# Altium PCB Archimbu.PcbDoc (part 5 of 5)
Units mil, origin at the board's own origin, x right, y up, seen from the top; angles counter-clockwise.
Board outline 4100 x 4050 mil, 4 copper layers (Top Layer, Ground Plane, Power Plane, Bottom Layer), stack 59.2 mil thick; 524 components, 271 nets, 1488 pads, 1236 vias.
Unrouted connection lines stored in the file: 118.
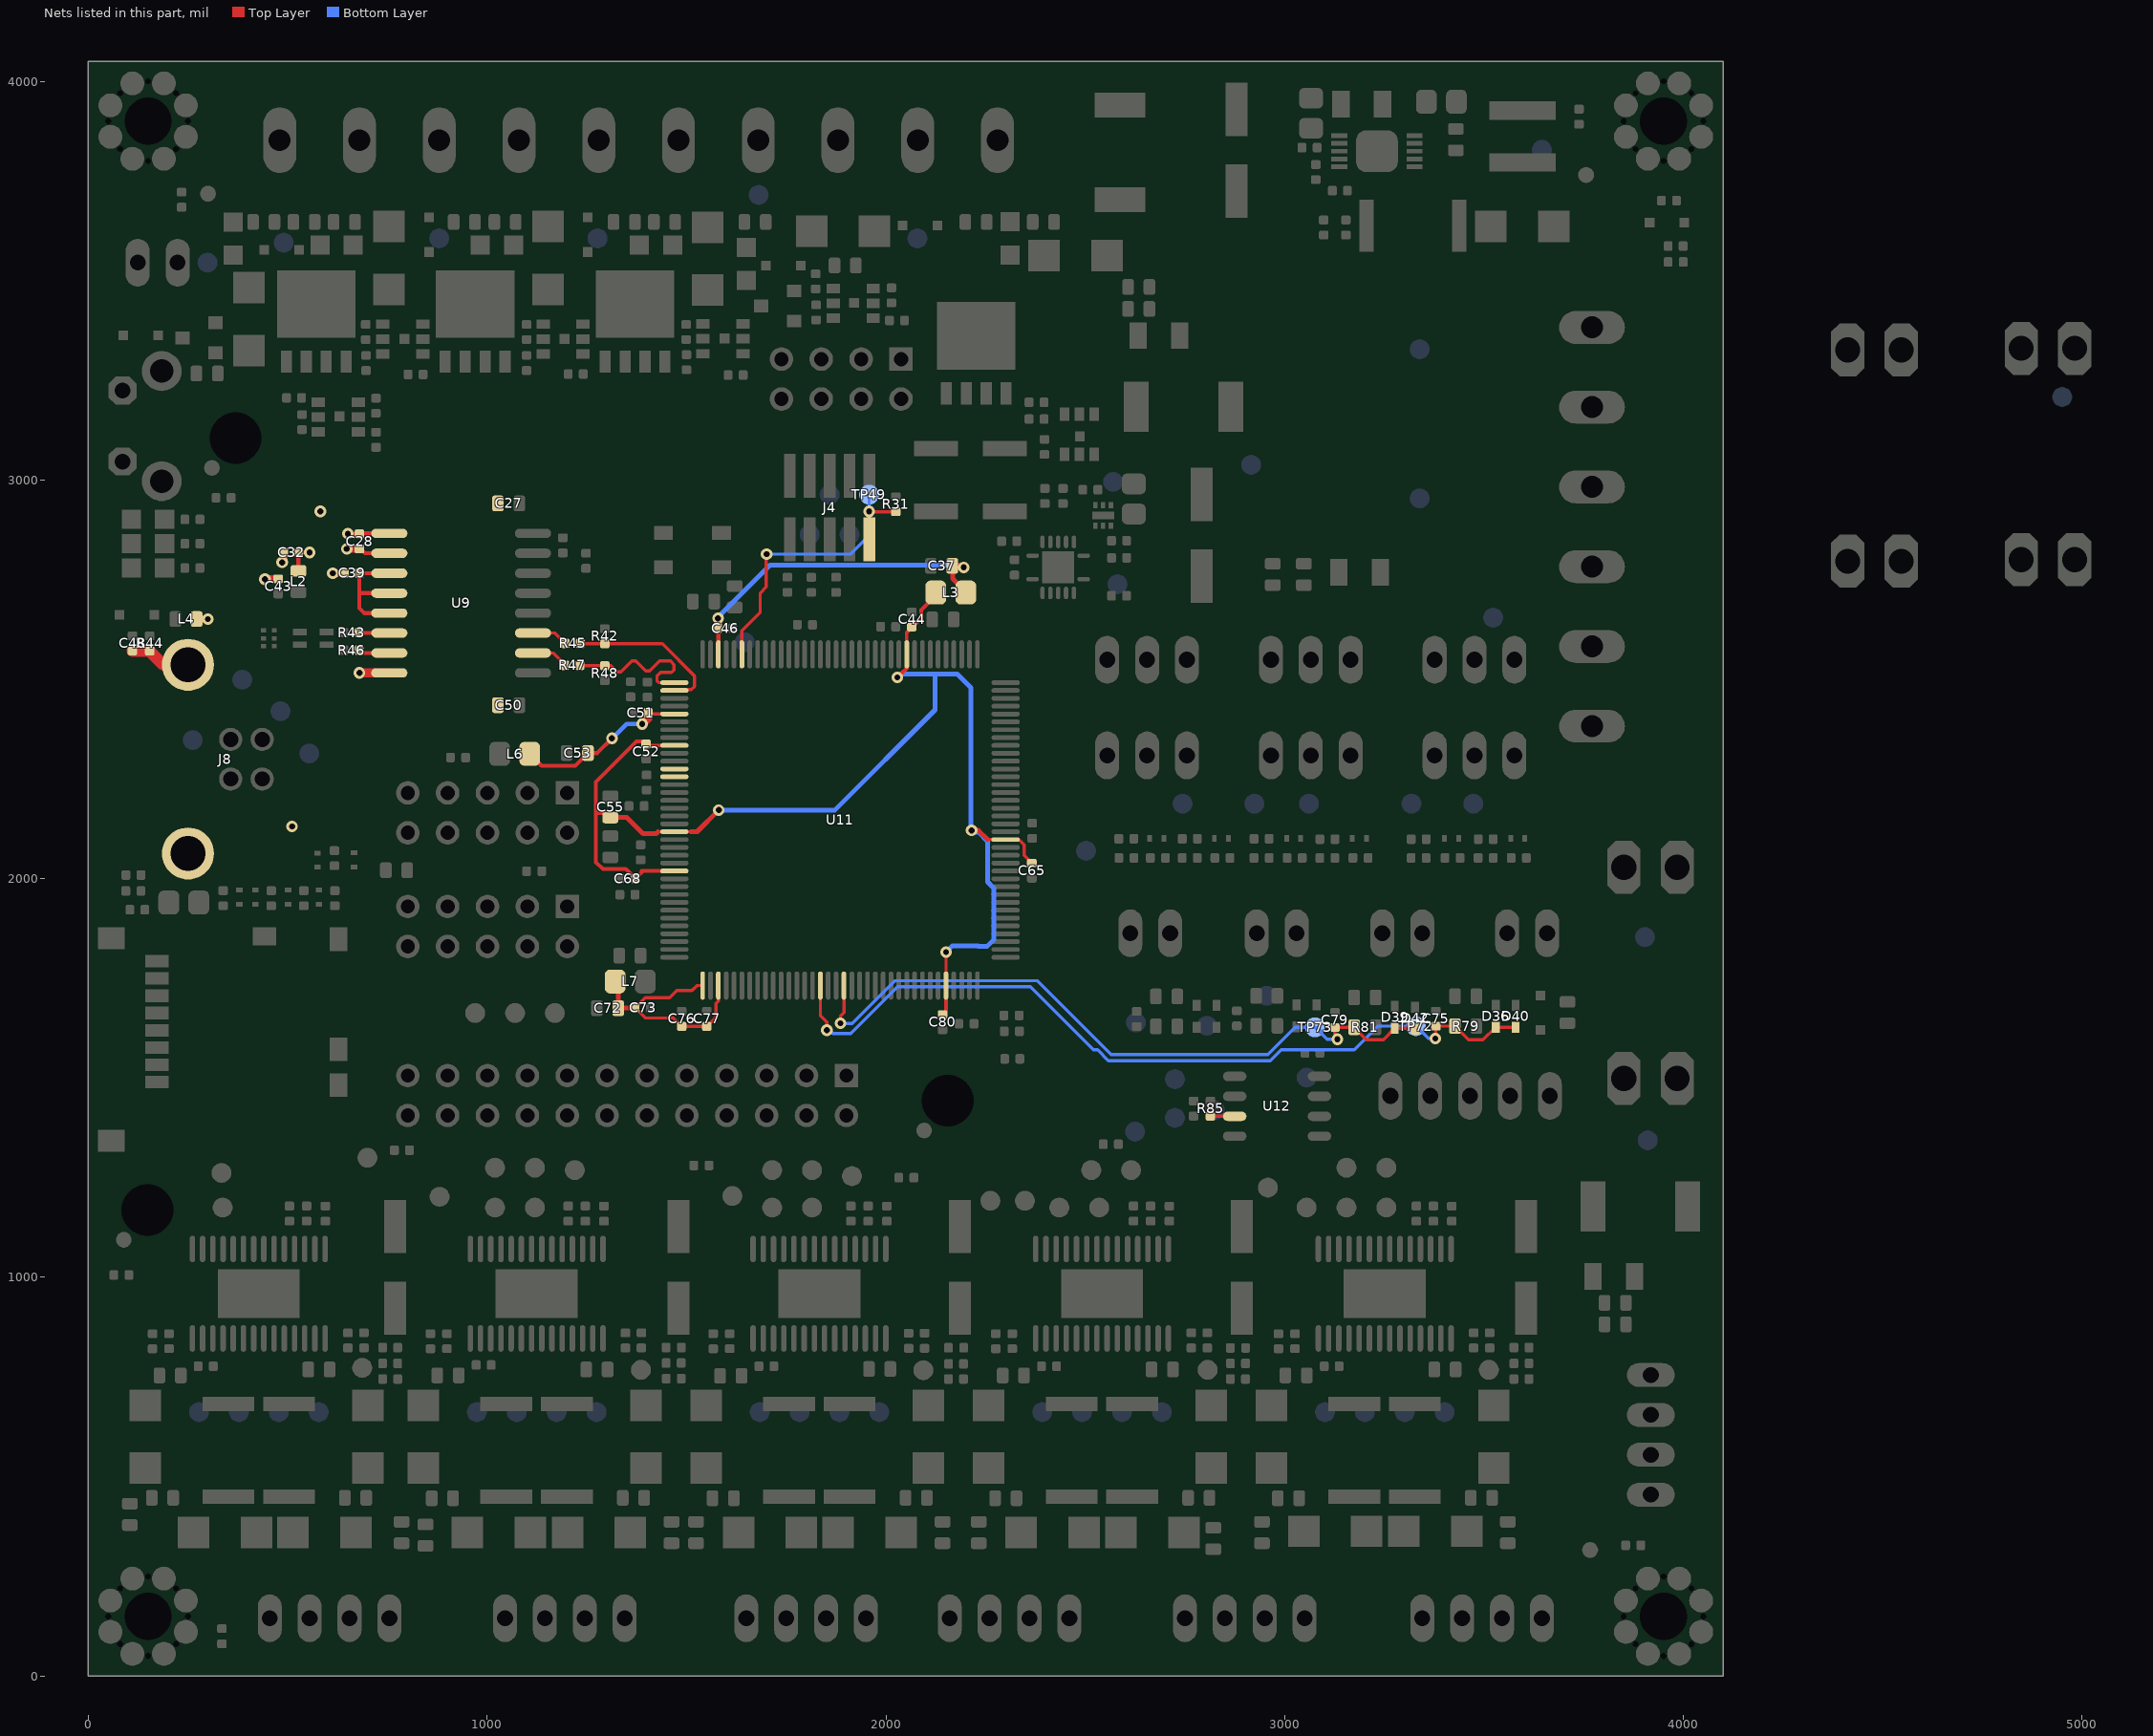
[diagram p7: the nets of this part, all layers, seen from the top]

## Via types
v1: diameter 29, hole 15, Top Layer to Bottom Layer, tented both sides, 1115 vias
v2: diameter 30, hole 15, Top Layer to Bottom Layer, tented both sides, 95 vias
v3: diameter 30, hole 15, Top Layer to Bottom Layer, 9 vias
v4: diameter 40, hole 24, Top Layer to Bottom Layer, tented both sides, 7 vias
v5: diameter 25, hole 10, Top Layer to Bottom Layer, tented both sides, 4 vias
v6: diameter 50, hole 30, Top Layer to Bottom Layer, 2 vias
v7: diameter 40, hole 20, Top Layer to Bottom Layer, tented both sides, 2 vias
v8: diameter 38, hole 22, Top Layer to Bottom Layer, tented both sides, 1 vias
v9: diameter 34, hole 20, Top Layer to Bottom Layer, tented both sides, 1 vias

## Nets (pads, with @x,y where several pads share a name; then routed paths per layer and width w, separated by ;. In a path a pad name is that pad's centre, name@x,y a point inside that pad or via, vN(x,y) a via of type N, cw(c..) or ccw(c..) an arc to the next point about the centre after c; other vN are vias at no path point) (continued)
THERM_AN3: C79.1 D39.A D42.C R81.2 TP73.1 U11.91 | length 1760.7
  Top Layer w8: v1(1886,1637) 1886,1654.94 1894.84,1663.78 U11.91@1894.84,1731.75 ; 3126,1611 C79.1@3126,1626.73 3173.96,1626.73 R81.2@3174.23,1627 3204.91,1596.31 3247.87,1596.31 D39.A@3276,1624.44 D42.C@3326,1624.44
  Bottom Layer w8: v1(1886,1637) 1915.79,1637 2022.79,1744 2379,1744 2564.5,1558.5 2958.11,1558.5 3026.61,1627 TP73.1@3076,1627 3106,1597 v1(3132,1597) ; TP73.1@3082,1627 TP73.1@3092,1617
THERM_AN4: C75.1 D36.A D40.C R79.2 TP72.1 U11.88 | length 2094.6
  Top Layer w8: U11.88@1835.79,1731.75 1835.79,1657 1852,1640.79 v1(1852,1620) ; v1(3378,1599) 3367,1599 3379,1611 C75.1@3379,1629.73 3379.26,1630 R79.2@3427.23,1630 3461.22,1596 3497.56,1596 D36.A@3529,1627.44 D40.C@3579,1627.44
  Bottom Layer w8: v1(1852,1620) 1868.5,1611.5 1911.5,1611.5 2029,1729 2362.57,1729 2520.71,1570.87 2530.92,1570.87 2558.29,1543.5 2964.32,1543.5 2991.69,1570.87 3174.21,1570.87 3233.35,1630 TP72.1@3329,1630 3360,1599 v1(3378,1599)
TMS/SWDIO: J4.2 R31.1 TP49.1 U11.31 | length 794.2
  Top Layer w8: U11.31@1638.5,2562.89 U11.31@1638.94,2562.46 1638.94,2621.94 1685,2668 1685,2716.28 1700,2731.28 1700,2813 v1(1701,2814) ; v1(1958,2921) 1958.9,2920.1 R31.1@2025,2920.1
  Top Layer w12: v1(1958,2921) 1958.17,2909.2 J4.2@1959,2851.08
  Bottom Layer w8: v1(1701,2814) 1911.91,2814 1958,2860.09 v1(1958,2921) TP49.1@1958,2963
UD_N: R43.1 U9.6 | length 74.9
  Top Layer w10: R43.1@680,2616 U9.6@754.88,2616
UD_P: R46.1 U9.7 | length 76.9
  Top Layer w10: R46.1@678,2566 U9.7@754.88,2566
UI_N: R45.2 U9.11 | length 91.9
  Top Layer w8: U9.11@1115.12,2616 1170.22,2616 R45.2@1196.23,2590
UI_P: R47.2 U9.10 | length 93.9
  Top Layer w8: U9.10@1115.12,2566 1165.22,2566 R47.2@1196.23,2535
UMCU_N: R42.2 R45.1 U11.38 | length 400.8
  Top Layer w8: R45.1@1233.9,2590 1234.9,2589 R42.2@1295,2589 1439.32,2589 1520,2508.32 1520,2481.91 1512.1,2474.01 1471.75,2474.01 U11.38@1469.65,2471.91
UMCU_P: R47.1 R48.2 U11.37 | length 398.1
  Top Layer w8: R47.1@1232.9,2535 1233.9,2534 R48.2@1295,2534 1310.36,2534 1325.86,2518.5 1335.5,2518.5 1362.9,2545.9 1373.1,2545.9 1398,2521 1408,2521 1432.9,2545.9 1459.79,2545.9 1468.69,2537 1468.69,2523.69 1462,2517 1435,2517 1426,2508 1426,2496.32 1430.73,2491.59 U11.37@1469.65,2491.59
USB_GND: C27.1 C28.2 C32.2 C39.2 C43.1 C50.1 L4.1 U9.2 U9.8 | length 305.8
  Top Layer w10: C28.2@680,2827 682.76,2827 693.76,2816 U9.2@754.88,2816
  Top Layer w20: L4.1@271.77,2651 v1(300,2651) ; v1(443,2751) 443.7,2751.7 C43.1@476,2751.7 ; v1(486,2793) 490,2793 C32.2@490,2818 ; v1(613,2766) C39.2@642,2766 ; v1(648,2827) C28.2@680,2827
  Top Layer w22: v1(680,2516) U9.8@754.88,2516
  other v1: 511,2131 582,2921
USBSHIELD: C48.1 J8.5 J8.6 R44.2 | length 153.5
  Top Layer w30: C48.1@111,2571.3 111.3,2571 R44.2@154,2571 188.78,2536.22 J8.5@250,2536.22
VDD1: C39.1 U9.3 U9.4 U9.5 | length 318.8
  Top Layer w10: U9.5@754.88,2666 692,2666 679.7,2678.3 679.7,2717 ; U9.4@754.88,2716 680.7,2716 679.7,2717 ; U9.3@754.88,2766 C39.1@679.7,2766 679.7,2717
VDDANA: C72.2 C73.1 C76.1 C77.1 L7.2 U11.73 U11.75 | length 623
  Top Layer w8: U11.73@1540.51,1731.75 1525.75,1731.75 1513.5,1719.5 1475.5,1719.5 1473.5,1717.5 1473.5,1717.44 1457.56,1701.5 1427.44,1701.5 1426.94,1701 1396.3,1701 C73.1@1371.3,1676 1396.8,1650.5 1458.56,1650.5 1459.06,1651 1466.3,1651 C76.1@1488,1629.3 C77.1@1551,1629.3 1574,1652.3 1574,1686.79 1579.88,1692.67 U11.75@1579.88,1731.75
  Top Layer w12: L7.2@1316,1742 1329.23,1728.77 C72.2@1329.23,1674.46 ; C72.2@1328.77,1674 C72.2@1329.23,1674.46 ; C72.2@1329.23,1674 C72.2@1329.23,1674.46 ; C73.1@1371.3,1676 1330.77,1676 C72.2@1329.23,1674.46
VDDOUT: C44.1 C52.1 C55.2 C65.1 C68.1 C80.1 L3.1 U11.10 U11.45 U11.56 U11.61 U11.104 U11.124 | length 3358
  Top Layer w8: C52.1@1392.7,2344 1402.59,2334.11 U11.45@1469.65,2334.11 ; 1429,2117.57 U11.56@1469.65,2117.57 1511.43,2117.57 ; U11.10@2052.32,2562.46 2052.32,2617.02 ; U11.104@2150.75,1720 U11.104@2150.75,1731.75 2150.75,1815.75 v1(2151,1816) ; 2254.33,2098.67 2255.11,2097.89 U11.124@2300.35,2097.89 2334.1,2097.89 2346.79,2085.21 2346.79,2057.91 C65.1@2360,2044.7
  Top Layer w10: C55.2@1318.54,2153.23 1306.77,2165 1273,2165 ; 1388,2019.15 U11.61@1469.65,2019.15 ; 1390.85,2019.15 C68.1@1371.7,2000 1347.7,2024 1290.42,2024 1273,2041.42 1273,2165 ; C52.1@1392.7,2344 1374.52,2344 1273,2242.48 1273,2165 ; v1(2029,2505) 2039.02,2515.02 2040.05,2515.02 2052.32,2527.29 U11.10@2052.32,2562.46 ; 2052.32,2617.02 C44.1@2065.3,2630 ; C44.1@2065,2629.3 2089,2653.3 2089,2673.65 2125.6,2710.24 L3.1@2125.6,2719 ; C80.1@2150.75,1667.45 U11.104@2150.75,1720
  Top Layer w12: C55.2@1318.54,2153.23 1350.66,2153.23 1391.39,2112.5 1423.64,2112.5 1426.64,2115.5 1426.93,2115.5 1429,2117.57 ; 1511.43,2117.57 1526.62,2117.57 v1(1581,2172) ; v1(2215,2121) 2232,2121 2254.33,2098.67
  Bottom Layer w12: v1(1581,2172) 1872.1,2172 2123.5,2423.4 2123.5,2512.5 2122.5,2513.5 ; v1(2029,2505) 2037.5,2513.5 2178.39,2513.5 2213.5,2478.39 2213.5,2117 2231.89,2117 2255.03,2093.86 2255.03,1991.97 2270.5,1976.5 2270.5,1846.61 2254.39,1830.5 2231.61,1830.5 2231.11,1831 2166,1831 v1(2151,1816)
VDDPLL: C37.2 C46.1 L3.2 U11.34 | length 877.5
  Top Layer w10: U11.34@1579.88,2562.46 C46.1@1579.88,2628.42
  Top Layer w12: C46.1@1576,2632.3 C46.1@1579.88,2628.42 ; C37.2@2167.77,2782.85 2167.77,2752.23 L3.2@2201,2719 ; v1(2194.99,2780.65) 2194.99,2780.99 v1@2196.85,2782.85
  Top Layer w20: C46.1@1577,2633.3 1579,2635.3 v1(1579,2653) ; C37.2@2167.77,2782.85 v1@2196.85,2782.85
  Bottom Layer w12: v1@1576.55,2653.45 1709.53,2786.42 2166.47,2786.42 2172.24,2780.65 v1(2194.99,2780.65)
VDDUTMI: C51.1 C53.2 L6.2 U11.41 | length 440.2
  Top Layer w8: v1(1389,2388) v1@1391.06,2388 ; C51.1@1403.7,2416 1406.85,2412.85 U11.41@1469.65,2412.85
  Top Layer w10: L6.2@1107,2313 1136.69,2283.31 1221.09,2283.31 C53.2@1252.77,2315 1276,2315 v1(1313,2352)
  Top Layer w20: v1@1391.06,2388 1403.7,2400.64 C51.1@1403.7,2416
  Bottom Layer w10: v1(1313,2352) 1314,2352 1350,2388 v1(1389,2388)
VUSB: C28.1 C32.1 L2.1 U9.1 | length 175.8
  Top Layer w10: L2.1@527,2771.77 527,2817.3 C32.1@527.7,2818 v1(555,2818) ; v1(651,2865) 651.3,2864.7 C28.1@680,2864.7 ; C28.1@682,2866 U9.1@754.88,2866
WP#: R85.1 U12.3 | length 60.7
  Top Layer w8: R85.1@2814,1404.1 2814.1,1404 U12.3@2874.7,1404
XIN32: U11.48
XOUT32: U11.49
pads on no net: FD1.1 FD2.1 FD3.1 H1.0 H2.0 H3. H4. H5. H6.0 H7.0 J4.7 U2.5 U3.5 U4.5 U5.5 U6.5 U7.5 U8.5 U13.18 U13.23 U13.27 U14.18 U14.23 U14.27 U15.18 U15.23 U15.27 U16.18 U16.23 U16.27 U17.18 U17.23 U17.27

## Polygon pours and split planes (outlines as drawn)
HTBD on Top Layer "DirectConnect" (solid, shelved, pour order 240): 2230.93,3667.07 2172,3726 2172,3940 2131,3981 2030,3981 1993,3944 1993,3729.37 2061.37,3661 2061.37,3647.63 2071,3638 2219,3638 2231,3650
+12VCC2 on Top Layer "DirectConnect" (solid, shelved, pour order 244): 1354,3639 1354,3661 1386,3693 1386,3944 1421,3979 1527,3979 1565,3941 1565,3766 1589,3742 1589,3617 1575,3603 1526,3603 1497,3632 1360,3632 1355,3637
HTRA on Top Layer "DirectConnect" (solid, shelved, pour order 241): 1348.95,3640 1348.95,3670.95 1370,3692 1370,3944 1336,3978 1334,3980 1230,3980 1193,3943 1193,3765 1271,3687 1271,3640
GND on Top Layer "FlashGND" (solid, remove dead copper, shelved, pour order 135): 2864.17,1323.82 2864.17,1539.37 3055.12,1539.37 3055.12,1323.82
FGND on Top Layer "SDfgnd" (solid, remove dead copper, shelved, pour order 133): 32.12,1869.31 32.12,1326 642.36,1326 642.36,1869.31 32.12,1869.31
GND on Top Layer "DirectConnect" (solid, shelved, pour order 136): 3932.09,3524.61 3941.93,3534.45 3941.93,3656.5 3941.93,3693.9 3922.24,3713.58 3882.87,3713.58 3869.09,3699.8 3862.2,3692.91 3862.2,3524.61
GND on Top Layer "DirectConnect" (solid, shelved, pour order 255): 456,3324 616,3324 616,3238 455,3238 455,3326
GND on Top Layer "DirectConnect" (solid, shelved, pour order 254): 853,3326 853,3239 1017,3239 1017,3326 853,3326
GND on Top Layer "DirectConnect" (solid, shelved, pour order 253): 1253,3326 1418,3326 1418,3238 1252,3238 1252,3326
GND on Top Layer "DirectConnect" (solid, shelved, pour order 249): 2103,3248 2103,3157 2279,3157 2279,3248 2103,3248
GND on Top Layer "PWR IN" (solid, shelved, pour order 225): 4014,2694 3821,2694 3778,2737 3778,2819 3830,2871 4014,2871
GND on Top Layer "PWR IN" (solid, shelved, pour order 226): 4014,3094 3821,3094 3778,3137 3778,3219 3830,3271 4014,3271
NetF2_1 on Top Layer "PWR IN" (solid, shelved, pour order 222): 4014,3074 3809,3074 3730,3153 3450,3153 3450,2816 3722,2816 3796,2890 4014,2890
NetF1_1 on Top Layer "PWR IN" (solid, shelved, pour order 220): 4014,3291 3830,3291 3730,3191 3446,3191 3446,3510 4014,3510
HTBD on Top Layer "DirectConnect" (solid, shelved, pour order 218): 2020,3278 2062,3278 2062,3262 2363,3262 2363,3215 2565,3215 2565,3600 2371,3600 2240,3600 2240,3661 2020,3661 2020,3303
HTRA on Top Layer "DirectConnect" (solid, shelved, pour order 217): 1222,3337 1481,3337 1481,3278 1607,3278 1607,3580 1435,3580 1435,3621 1435,3663 1222,3663
HTR1 on Top Layer "DirectConnect" (solid, shelved, pour order 216): 820,3337 1208,3337 1208,3586 1030,3586 1030,3622 1030,3665 820,3665 820,3336
HTR0 on Top Layer "DirectConnect" (solid, shelved, pour order 215): 454,3337 809,3337 809,3582 627,3582 627,3665 494,3665 406,3665 406,3538 454,3538
GND on Top Layer "Crystal" (solid, shelved, pour order 214): 1625,2631 1667,2673 1667,2718 1667,2878 1621,2924 1425,2924 1390,2889 1390,2738 1430,2698 1497,2631 1625,2631
GND on Top Layer "MCU GND" (solid, shelved, pour order 213): 1496,2493 1541,2538 2049,2538 2222,2365 2222,1770 2204,1752 1537,1752 1496,1793
USB_GND on Top Layer "USB Shield" (solid, shelved, pour order 211): 498,2081 824,2407 1035,2407 1048,2420 1048,2426 1048,2953 1036,2965 587,2965 552,2930 322,2700 83,2700 83,2598 103,2578 464,2578 498,2544
USBSHIELD on Top Layer "USB Shield" (solid, shelved, pour order 210): 21.99,2047 468,2047 482,2061 482,2536 464,2554 21,2554
GND on Top Layer "Top Layer-MTR GND" (solid, remove dead copper, shelved, pour order 170): 64.57,1300 64.57,547 766,547 766,1300
GND on Top Layer "Top Layer-MTR GND" (solid, remove dead copper, shelved, pour order 168): 819,1300 819,541 1481,541 1481,1300
GND on Top Layer "Top Layer-MTR GND" (solid, remove dead copper, shelved, pour order 166): 1526,1300 1526,545 2195,545 2195,1258.5 2017.5,1258.5 1976,1300
GND on Top Layer "Top Layer-MTR GND" (solid, remove dead copper, shelved, pour order 164): 2224,1145 2224,543 2902,543 2902,1300 2394,1300 2239,1145
GND on Top Layer "Top Layer-MTR GND" (solid, remove dead copper, shelved, pour order 162): 2942,1277.56 2942,543 3664.37,543 3664.37,1277.56
GND on Top Layer "Motor-Thermal" (solid, shelved, pour order 209): 997,1030 997,886 1258,886 1258,1030 1159,1030
GND on Top Layer "Motor-Thermal" (solid, shelved, pour order 208): 298.14,1030 298.14,886 559.14,886 559.14,1030 460.14,1030
GND on Top Layer "Motor-Thermal" (solid, shelved, pour order 194): 3109.58,321 3109.58,629 3259.58,629 3391.58,629 3391.58,321
GND on Top Layer "Motor-Thermal" (solid, shelved, pour order 193): 2400.72,321 2400.72,629 2550.72,629 2682.72,629 2682.72,321
GND on Top Layer "Motor-Thermal" (solid, shelved, pour order 192): 285.14,321 285.14,629 435.14,629 567.14,629 567.14,321
GND on Top Layer "Motor-Thermal" (solid, shelved, pour order 204): 208,637 155,584 101.74,584 86.74,599 86.74,736 120.74,770 192.64,770 208,754.64
GND on Top Layer "Motor-Thermal" (solid, shelved, pour order 203): 636.5,659.26 636.5,638.9 691.14,584.26 738.5,584.26 753.5,599.26 753.5,736.26 746.5,743.26 704.5,743.26 646.5,743.26 636.5,733.26
NetR121_2 on Top Layer "Motor-Thermal" (solid, shelved, pour order 147): 415.74,641 415.74,722 389.74,748 389.74,808.53 389.06,809.21 373.82,793.98 373.82,749.08 354.74,730 318.74,730 287.74,699 287.74,641
NetR122_2 on Top Layer "Motor-Thermal" (solid, shelved, pour order 148): 439.14,641 439.14,722 465.14,748 465.14,808.53 465.83,809.21 481.07,793.98 481.07,749.08 500.14,730 536.14,730 567.14,699 567.14,641
+12VCC1 on Top Layer "Top Layer-MTR +" (solid, shelved, pour order 189): 566.14,783 566.14,774 601.14,739 619.14,739 619.14,729 623.14,725 616.14,710 566.14,710 537.14,739 537.14,783
+12VCC1 on Top Layer "Top Layer-MTR +" (solid, shelved, pour order 184): 344.14,817 344.14,805 332.14,793 331.14,792 331.14,793 324.64,750.5 307.14,733 263.14,712 239.14,712 224.14,727 218.14,733 218.14,775 223.14,780 295.14,780 332.14,817
GND on Top Layer "Motor-Thermal" (solid, shelved, pour order 207): 3113.58,1030 3113.58,886 3374.58,886 3374.58,1030 3275.58,1030
GND on Top Layer "Motor-Thermal" (solid, shelved, pour order 202): 3041.1,652.51 3041.1,641.51 2977.1,577.51 2939.1,577.51 2926,590.61 2926,731.41 2931.1,736.51 2973.1,736.51 3031.1,736.51 3041.1,726.51
GND on Top Layer "Motor-Thermal" (solid, shelved, pour order 201): 3456.5,659.26 3456.5,642.5 3514.74,584.26 3558.5,584.26 3577,602.76 3577,732.76 3566.5,743.26 3524.5,743.26 3466.5,743.26 3456.5,733.26
NetR129_2 on Top Layer "Motor-Thermal" (solid, shelved, pour order 149): 3239.18,641 3239.18,722 3213.18,748 3213.18,808.53 3212.49,809.21 3197.26,793.98 3197.26,749.08 3178.18,730 3142.18,730 3111.18,699 3111.18,641
NetR130_2 on Top Layer "Motor-Thermal" (solid, shelved, pour order 150): 3262.58,641 3262.58,722 3288.58,748 3288.58,808.53 3289.26,809.21 3304.5,793.98 3304.5,749.08 3323.58,730 3359.58,730 3390.58,699 3390.58,641
+12VCC1 on Top Layer "Top Layer-MTR +" (solid, shelved, pour order 188): 3390.58,783 3390.58,774 3425.58,739 3443.58,739 3443.58,729 3447.58,725 3440.58,710 3390.58,710 3361.58,739 3361.58,783
+12VCC1 on Top Layer "Top Layer-MTR +" (solid, shelved, pour order 183): 3167.58,817 3167.58,805 3155.58,793 3154.58,792 3154.58,793 3148.08,750.5 3130.58,733 3086.58,712 3062.58,712 3047.58,727 3041.58,733 3041.58,775 3046.58,780 3118.58,780 3155.58,817
GND on Top Layer "Motor-Thermal" (solid, shelved, pour order 206): 2406.72,1030 2406.72,886 2667.72,886 2667.72,1030 2568.72,1030
GND on Top Layer "Motor-Thermal" (solid, shelved, pour order 200): 2332.1,652.51 2332.1,641.51 2268.1,577.51 2230.1,577.51 2222.1,585.51 2222.1,736.51 2264.1,736.51 2322.1,736.51 2332.1,726.51
GND on Top Layer "Motor-Thermal" (solid, shelved, pour order 199): 2750.5,654.2 2750.5,639.47 2810.78,579.2 2852.5,579.2 2867.5,594.2 2867.5,731.2 2860.5,738.2 2818.5,738.2 2760.5,738.2 2750.5,728.2
NetR127_2 on Top Layer "Motor-Thermal" (solid, shelved, pour order 151): 2530.32,641 2530.32,722 2504.32,748 2504.32,808.53 2503.63,809.21 2488.4,793.98 2488.4,749.08 2469.32,730 2433.32,730 2402.32,699 2402.32,641
NetR128_2 on Top Layer "Motor-Thermal" (solid, shelved, pour order 152): 2553.72,641 2553.72,722 2579.72,748 2579.72,808.53 2580.4,809.21 2595.64,793.98 2595.64,749.08 2614.72,730 2650.72,730 2681.72,699 2681.72,641
+12VCC1 on Top Layer "Top Layer-MTR +" (solid, shelved, pour order 187): 2681.72,783 2681.72,774 2716.72,739 2734.72,739 2734.72,729 2738.72,725 2731.72,710 2681.72,710 2652.72,739 2652.72,783
+12VCC1 on Top Layer "Top Layer-MTR +" (solid, shelved, pour order 182): 2457.72,817 2457.72,805 2445.72,793 2444.72,792 2444.72,793 2438.22,750.5 2420.72,733 2376.72,712 2352.72,712 2337.72,727 2331.72,733 2331.72,775 2336.72,780 2408.72,780 2445.72,817
GND on Top Layer "Motor-Thermal" (solid, shelved, pour order 205): 1697.12,1030 1697.12,886 1958.12,886 1958.12,1030 1859.12,1030
GND on Top Layer "Motor-Thermal" (solid, shelved, pour order 191): 1692.12,321 1692.12,629 1842.12,629 1974.12,629 1974.12,321
GND on Top Layer "Motor-Thermal" (solid, shelved, pour order 198): 1621.1,651.76 1621.1,640.76 1557.1,576.76 1519.1,576.76 1511.1,584.76 1511.1,735.76 1553.1,735.76 1611.1,735.76 1621.1,725.76
GND on Top Layer "Motor-Thermal" (solid, shelved, pour order 197): 2045,654 2045,643 2109,579 2147,579 2162,594 2162,731 2155,738 2113,738 2055,738 2045,728
NetR125_2 on Top Layer "Motor-Thermal" (solid, shelved, pour order 153): 1820.72,641 1820.72,722 1794.72,748 1794.72,808.53 1794.03,809.21 1778.8,793.98 1778.8,749.08 1759.72,730 1723.72,730 1692.72,699 1692.72,641
NetR126_2 on Top Layer "Motor-Thermal" (solid, shelved, pour order 154): 1845,641 1845,722 1871,748 1871,808.53 1871.69,809.21 1886.92,793.98 1886.92,749.08 1906,730 1942,730 1973,699 1973,641
+12VCC1 on Top Layer "Top Layer-MTR +" (solid, shelved, pour order 186): 1972.12,783 1972.12,774 2007.12,739 2025.12,739 2025.12,729 2029.12,725 2022.12,710 1972.12,710 1943.12,739 1943.12,783
+12VCC1 on Top Layer "Top Layer-MTR +" (solid, shelved, pour order 181): 1750.12,817 1750.12,805 1738.12,793 1737.12,792 1737.12,793 1730.62,750.5 1713.12,733 1669.12,712 1645.12,712 1630.12,727 1624.12,733 1624.12,775 1629.12,780 1701.12,780 1738.12,817
GND on Top Layer "Motor-Thermal" (solid, shelved, pour order 196): 906.1,653.51 906.1,642.51 842.1,578.51 804.1,578.51 804.1,737.51 838.1,737.51 904.17,737.51 906.1,735.57
GND on Top Layer "Motor-Thermal" (solid, shelved, pour order 195): 1333.5,656.2 1333.5,638.5 1390.8,581.2 1435.5,581.2 1450.5,596.2 1450.5,733.2 1443.5,740.2 1401.5,740.2 1343.5,740.2 1333.5,730.2